# KiCad board MiniCamel_V1.00.kicad_pcb (continued)
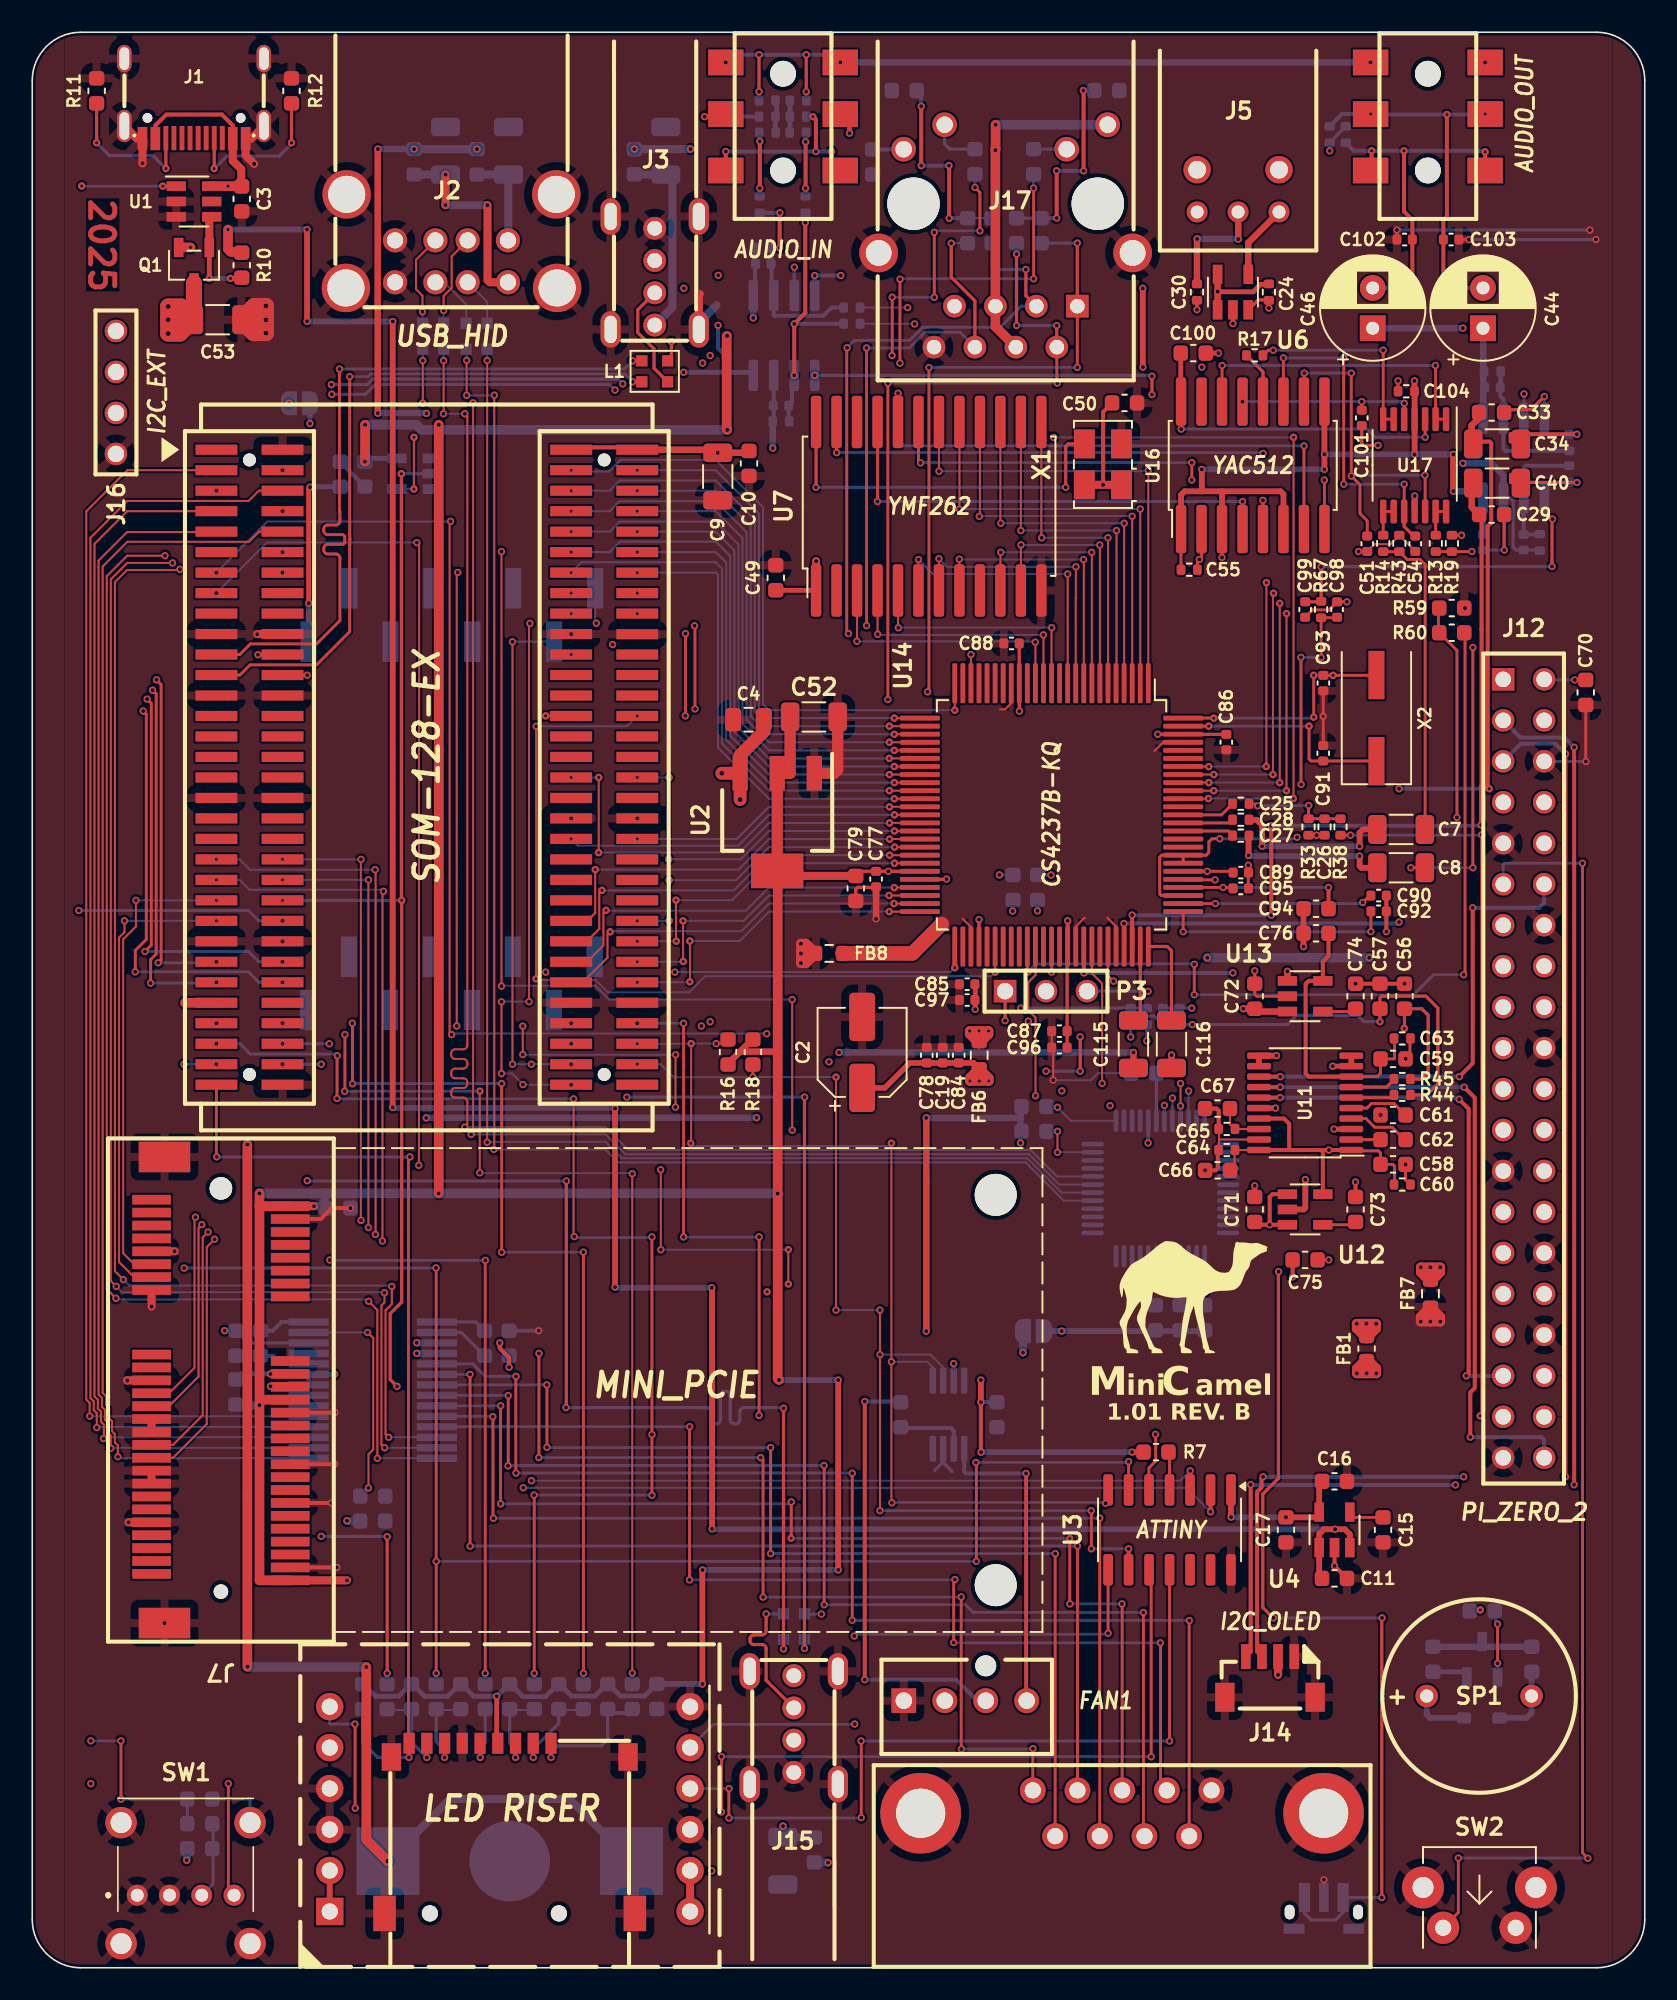
[diagram p0: board, top side]
## Routing (per net, layer and track width the routed paths; a pad name or vN(x,y) marks a point on that pad's centre or on a via; arc(x,y) is an arc through that point) (continued)
AGND: length 159.6
  Top w0.127: C54.2 85.77,87.83 R43.1 84.22,88.26 83.24,88.26 C51.2 v1(82.25,87.81) ; 82.08,55.9 U11.9 ; U11.19 73.6,51.35 ; 73.6,52.01 73.6,50.7 ; 82.06,48.71 v1(82.06,48.72)
  Top w0.18: v1(81.53,84.69) C98.1 80.42,84.19 79.4,84.19 C99.2 ; v1(85.17,49.81) 85.17,48.83 85.44,48.56 ; 75.43,66.77 75.41,66.79 v1(75.41,68.35) 75.43,68.34 C89.1 ; U13.2 75.94,60.23 75.81,60.36 C72.2 ; U14.80 71.41,67.45 v1(73.35,67.45) ; 79.91,70.25 79.88,70.22 78.92,70.22 79.42,70.22 ; 85.44,57.62 85.44,56.63 v1(85.17,56.36) ; U16.2 72.52,87.45 v1(72.38,87.31) 72.26,87.2 C55.1
  Top w0.2: v1(48,116.32) v1(48,118.61) ; v1(64.98,57.72) 64.99,57.71 v1(64.99,55.59) ; 72.23,103.41 v1(72.23,102.8) ; C101.2 82.45,94.48 82.54,94.39 v1(83.46,94.39) ; v1(91.29,87.9) 91.28,87.91 91.28,89.97 ; R19.1 v1(88.64,88.82) ; v1(45.07,116.32) v1(45.07,118.61) ; C72.2 v1(75.81,61.81) ; v1(93.77,97.42) 92.95,96.6 91.28,96.6 ; v1(76.69,102.9) 76.69,103.41 76.03,103.41 U6.3 ; C104.1 v1(84.7,98.39)
  Top w0.25: v1(83.97,64.24) 83.97,66.47 ; v1(42.54,104.93) 42.53,104.92 ; C67.1 73.45,53.27 73.58,53.14 73.58,52.03 73.6,52.01 ; v1(72.73,49.44) 73.39,49.44 73.52,49.57 73.52,50.62 73.6,50.7 ; C73.2 82.06,48.71 ; v1(82.06,61.01) v1(85.1,61.01) ; v1(78.16,42.83) C75.2
  Top w0.3: U11.9 v1(80.65,55.9) ; U11.16 v1(77.1,53.3) ; U11.3 v1(80.73,52) ; v1(73.56,100.11) C100.1 ; C71.2 v1(75.81,48.48)
  Top w0.36: U12.2 78.86,47.01 78.95,47.11 v1(78.95,48.87) ; v1(77.16,56.55) U11.11 U11.12 ; U17.11 v1(85.73,91.25) ; v1(78.84,63.31) C76.2 C94.2 ; U11.10 U11.9
  Top w0.6: 86.71,42.52 87.32,43.12 v1(87.32,43.43) v1(86.11,43.43) 86.11,43.12 86.71,42.52 ; 86.71,42.52 v1(86.71,43.43)
  In1.Cu w0.2: v1(64.98,57.72) 64.99,57.71 v1(68.12,57.71)
  In1.Cu w0.25: v1(48.52,104.92) 48.51,104.93 v1(42.54,104.93)
  In2.Cu w0.2: P3.2 v1(62.87,55.59)
  In2.Cu w0.25: 50.11,104.92 v1(50.11,118.13) ; 42.53,104.92 v1(42.53,101.83)
  Bottom w0.127: R66.2 81.46,114.15 ; C41.1 89.92,87.9 ; v1(93.77,97.42) 93.77,97.41
  Bottom w0.2: R74.1 69.6,59 68.64,59 R25.1 v1(68.12,57.71) ; v1(62.87,55.59) v1(64.99,55.59) ; R76.1 48.01,116.31 v1(48,116.32) ; 81.46,114.15 81.44,114.15 80.46,113.17 R65.2 v1(80.46,112.65) ; 93.77,97.41 U15.4 ; v1(91.29,87.9) 89.92,87.9 ; R27.1 v1(45.07,116.32)
  Bottom w0.25: v1(43.01,118.13) 43.49,118.61 v1(45.07,118.61) v1(48,118.61) 49.63,118.61 v1(50.11,118.13) ; v1(42.53,101.83) 42.53,100.41 C114.1 ; U18.4 48.52,103.68 v1(48.52,104.92) v1(50.14,104.92)
  Bottom w0.4: v1(50.11,118.13) v1(83,118.13)
  vias: v1(79.65,70.22) v1(83.61,52.87) v1(90.1,118.13)
GND: length 115.9
  Top w0.127: 18.76,34.42 v1(18.77,34.43) ; v1(63.31,55.03) 63.31,56.96 C96.1 C87.2 ; 18.74,31.22 v1(18.75,31.23) ; 13.96,82.69 v1(13.95,82.68)
  Top w0.18: v1(96.35,74.79) 96.34,74.8 C70.2 ; C93.1 80.06,79.16 v2(80.06,77.59) C91.1
  Top w0.2: 52.3,66.98 51.19,66.98 51.07,66.86 51.07,66.14 ; C102.2 84.63,107.74 v1(84.63,107.74) ; v1(56.7,67.5) 56.68,67.48 U14.46 ; C103.2 v1(89.1,107.15)
  Top w0.25: J7.34 18.74,31.22 ; J7.40 v1(18.55,28.82) ; 81.53,24.14 v1(80.76,24.91) U4.2 ; J7.50 v1(18.89,24.82) ; J7.26 18.76,34.42 ; J7.4 17.89,46.42 18.57,47.1 v1(19.73,47.1)
  Top w0.4: C77.2 v1(52.33,65.03)
  Top w0.5: J7.21 5.9,36.42 v1(5.89,36.41) ; v1(13.76,111.84) 13.23,112.36 13.23,113.41 13.58,113.41 J1.S ; J7.29 J7.27 ; J3.7 41.34,103.71 41.4,103.77 ; J7.35 J7.37 ; v1(6.84,111.88) 6.84,111.88 J1.A12/B1 6.49,113.41 J1.S ; J7.9 v1(8.83,44.42) ; P1.A20 13.96,82.69 ; J7.15 v1(7.4,40.99) ; J7.43 v1(5.97,27.62)
  Top w0.6: v1(47.67,62.89) v1(47.67,62.28) 47.99,62.28 FB8.1 ; v1(47.67,62.89) v1(47.67,63.49) 47.99,63.49 FB8.1 ; v1(47.67,62.89) FB8.1 ; FB7.1 v1(86.71,40.06) ; FB7.1 87.31,40.36 v1(87.31,40.06) v1(86.11,40.06) 86.11,40.36 FB7.1
  Top w0.7: U2.1 49.73,74.06 49.95,74.28 C52.2
  Top w1: 12.9,102.17 13.72,101.35 v4(14.49,101.35) v4(14.49,103.03) 13.76,103.03 12.9,102.17 ; 12.9,102.17 v4(14.49,102.17)
  Bottom w0.127: C6.2 29.58,39.5 ; 19.1,93.36 C68.2 ; SW5.2 v1(80.1,5.45) ; C39.1 66.08,55.46 65.65,55.03 v1(63.31,55.03) ; J3.7 41.34,101.98
  Bottom w0.18: C5.2 13.42,10.46 13.51,10.37 SW1.MH3 ; 88.97,18.35 Q4.2 ; J12.6 93.77,74.79 v1(96.35,74.79)
  Bottom w0.2: 55.97,30.84 56.5,31.36 U10.7 56.5,31.31 57.04,30.77 ; v1(89.1,107.15) v1(96.97,107.15) ; v1(84.63,107.74) v1(96.6,107.74)
  Bottom w0.25: C38.2 19.1,93.36 ; 29.58,39.5 v1(31.41,39.5)
  Bottom w0.3: C20.2 88.97,18.35
  Bottom w0.5: 41.34,101.98 42.44,103.07
  vias: v1(8.2,21.37) v1(15.52,63.64) v1(33.42,82.69) v1(33.42,71.26) v1(37.52,71.26) v1(88.86,84.3)
SGND: length 17
  Top w0.127: U14.71 67.21,64.55 66.68,65.09 66.68,65.11 ; U14.97 70.14,75.98 69.6,75.44 ; U14.53 58.21,64.53 57.71,65.03 ; U14.66 64.71,64.55 65.25,65.09 65.28,65.09 ; U14.18 60.71,78.4 60.33,78.02 60.01,78.02
  Top w0.9: FB8.2 54.58,62.89 56.4,64.71
VBUS: length 225.5
  Top w0.25: 7.63,113.41 7.63,114.22 8.32,114.9 11.76,114.9 12.25,114.41 12.25,114.41 12.44,114.22 J1.A4/B9
  Top w0.36: U4.3 81.71,26.88 81.4,27.19 80.11,27.19 79.81,26.89 U4.1 79.81,24.31 ; v1(17.04,107.77) v1(17.04,102.08) ; 42.16,6.02 v1(42.14,6) ; v1(22.36,102.07) 22.35,102.06 v1(22.35,53.34) ; v1(36.14,42.2) v1(36.14,53.28) ; v1(42.14,42.16) 42.16,42.14 v1(42.16,27.21) ; J9.2 J9.1
  Top w0.5: J1.A4/B9 12.44,112.03 12.96,111.51 12.96,110.47 12.98,110.46 ; J9.8 J9.7
  Top w0.6: C3.2 12.98,110.46 U1.6 ; v2(9.82,106.66) Q1.3 ; 12.99,106.38 12.31,106.38 12.14,106.56 v2(12.14,107.77)
  In1.Cu w0.36: 18.47,6 18.47,6 v1(42.14,6)
  In2.Cu w0.36: v1(42.16,27.21) 42.16,6.02
  In2.Cu w0.6: v2(12.14,110.46) v2(12.14,107.77) 12.14,106.99 11.81,106.66 v2(9.82,106.66)
  Bottom w0.36: v1(36.14,53.28) 36.11,53.31 22.38,53.31 v1(22.35,53.34) ; v1(17.04,102.08) 17.05,102.07 v1(22.36,102.07) ; v1(17.04,107.77) v2(12.14,107.77) ; v1(42.14,42.16) 36.18,42.16 v1(36.14,42.2) ; v1(42.16,27.21) 42.18,27.19 v1(80.8,27.19) ; 18.47,6 J9.2
VCC: length 98.3
  Top w0.127: 48.59,85.4 U7.1 ; 75.98,46.06 C71.1 ; 77.84,61.78 v1(77.84,61.78) ; 10.02,104.45 Q1.2 ; P1.B2 37.44,94.2
  Top w0.18: 93.8,79.84 J12.2 ; C70.1 v1(95.66,79.84)
  Top w0.25: 37.44,94.2 37.38,94.26 33.56,94.26 P1.B1 ; U12.1 76.92,47.96 76.74,47.79 v1(76.74,46.06) ; v1(66.41,91.94) 66.41,96.46 66.97,97.02 ; v1(76.74,46.06) 75.98,46.06 ; v1(76.74,46.06) 77.84,46.06
  Top w0.3: 76.69,104.37 76.18,104.37 75.72,103.91 73.51,103.91 ; C49.1 48.59,85.4
  Top w0.35: v2(58.73,54.98) 58.72,54.99 FB6.1 58.38,56.1 C84.2 C78.2 54.42,56.1 52.87,54.55 C2.1
  Top w0.4: 72.23,104.37 72.23,107.18 v1(72.24,107.19) ; v1(75.1,59.46) C72.1 75.98,59.28 77.84,59.28 ; P1.B2 42.32,94.12 v1(42.51,93.93) 44.34,93.93 C10.1 ; U13.1 77.84,61.78 ; U6.5 v1(73.51,103.92) U6.1 ; v1(74.79,107.18) 74.79,108.85 J5.2
  Top w0.5: J14.2 v1(77.26,18.16) ; X1.1 v1(66.41,91.94) X1.4 ; v1(48.61,87.21) U7.1
  Top w0.6: 82.75,37.76 82.15,37.15 v1(82.15,36.85) v1(83.35,36.85) 83.35,37.15 82.75,37.76 ; 82.75,37.76 v1(82.75,36.85) ; v2(58.15,54.98) 58.15,55.18 FB6.1 59.32,55.16 v2(59.32,54.98) v2(58.15,54.98)
  Top w0.8: C4.1 45.37,76.65 43.9,75.18 U2.3 ; U2.3 v4(43.9,72.43) ; U2.3 v4(42.76,74.06)
  Top w1: C53.1 9.2,103 v4(8.43,103) v4(8.43,101.32) 9.16,101.32 C53.1 ; C53.1 10.02,104.45 ; C53.1 v4(8.43,102.18)
  Bottom w0.127: 49.35,6.52 v1(49.35,6.52)
  Bottom w0.18: v1(95.66,79.84) 93.8,79.84
  Bottom w0.2: U5.26 13.38,38.74 C14.1 11.94,39.49 v1(11.93,39.5)
  Bottom w0.3: U5.22 U5.23 18.74,36.79 v1(18.75,36.8)
  Bottom w0.36: D4.1 86.69,15.49 86.48,15.7 SP1.1
  Bottom w0.4: v1(72.24,107.19) 74.78,107.19 v1(74.79,107.18)
  Bottom w0.5: JP3.1 v1(61.44,38.14) ; 48.5,6.52 49.35,6.52 ; 9.56,7.39 9.58,7.37 v1(9.58,6.67) ; v1(40.83,112.76) v1(37.34,112.76)
  vias: v1(15.92,97)
/_RESET: length 2.4
  Top w0.127: 70.53,31.95 70.52,31.97
  Top w0.18: 70.53,29.61 70.53,31.95
/A0: length 39.4
  Top w0.127: v2(57.21,77.97) 57.21,77.97 U14.25
  Bottom w0.127: v2(57.21,77.97) 57.21,77.97 45.69,77.97 45.32,78.34 45.32,90.55 42.38,93.49 36.49,93.49 35.77,92.77 33.5,92.77 v2(33.42,92.85)
/A1: length 31
  Top w0.127: U14.26 v2(53.46,77.48)
  Bottom w0.127: v2(53.46,77.48) 45.69,77.48 45.07,78.1 45.07,90.16 42.38,92.85 v2(37.52,92.85)
/A2: length 35.2
  Top w0.127: U14.27 v2(53.15,76.98)
  Bottom w0.127: v2(53.15,76.98) 45.69,76.98 44.81,77.86 44.81,89.78 42.38,92.21 36.44,92.21 35.81,91.58 v2(33.42,91.58)
/A3: length 30.7
  Top w0.127: U14.28 v3(53.46,76.48)
  Bottom w0.127: v2(37.52,91.58) 42.38,91.58 44.56,89.4 44.56,77.61 45.69,76.48 v3(53.46,76.48)
/A4: length 34.9
  Top w0.127: U14.29 v2(53.15,75.98)
  Bottom w0.127: v2(53.15,75.98) 45.69,75.98 44.3,77.36 44.3,88.99 42.38,90.92 36.42,90.92 35.81,90.31 v2(33.42,90.31)
/A5: length 30.4
  Top w0.127: v2(53.46,75.48) 53.46,75.48 U14.30
  Bottom w0.127: v2(37.52,90.31) 42.38,90.31 44.05,88.64 44.05,77.12 45.69,75.48 v2(53.46,75.48)
/A6: length 34.6
  Top w0.127: U14.31 v2(53.15,74.98)
  Bottom w0.127: v2(33.42,89.04) 35.82,89.04 36.44,89.66 42.38,89.66 43.8,88.24 43.8,76.87 45.69,74.98 v2(53.15,74.98)
/A7: length 30.2
  Top w0.127: U14.32 53.46,74.48 v2(53.46,74.48)
  Bottom w0.127: v2(37.52,89.04) 42.38,89.04 43.54,87.88 43.54,76.63 45.69,74.48 v2(53.46,74.48)
/A8: length 34.4
  Top w0.127: U14.33 53.16,73.98 v2(53.16,73.98)
  Bottom w0.127: v2(33.42,87.77) 35.81,87.77 36.46,88.42 42.39,88.42 43.29,87.52 43.29,76.38 45.69,73.98 v2(53.16,73.98)
/A9: length 29.9
  Top w0.127: U14.34 53.47,73.48 v2(53.47,73.48)
  Bottom w0.127: v2(37.52,87.77) 42.38,87.77 43.03,87.11 43.03,76.13 45.69,73.48 v2(53.47,73.48)
/A10: length 34.1
  Top w0.127: U14.35 53.16,72.98 v2(53.15,72.98)
  Bottom w0.127: v2(33.42,86.5) 34.06,87.14 42.38,87.14 42.78,86.74 42.78,75.9 45.7,72.98 v2(53.15,72.98)
/A11: length 29.6
  Top w0.127: U14.36 v2(53.46,72.48)
  Bottom w0.127: v2(53.46,72.48) 45.69,72.48 42.53,75.64 42.53,86.36 42.39,86.5 v2(37.52,86.5)
/A12: length 59.9
  Top w0.127: U14.94 72.95,74.48 v2(72.96,74.47) ; v2(76.52,74.48) 76.54,74.49 v2(76.54,85.88)
  In1.Cu w0.127: v2(33.42,85.23) 35.81,85.23 36.46,85.88 v2(76.54,85.88)
  Bottom w0.127: v2(76.52,74.48) 72.97,74.48 v2(72.96,74.47)
/A13: length 56.3
  Top w0.127: v2(76.94,73.98) 76.94,85.09 76.98,85.13 v2(76.98,85.22) ; U14.93 73.28,73.98 v2(73.28,73.98)
  In1.Cu w0.127: v2(76.98,85.22) 37.53,85.22 v2(37.52,85.23)
  Bottom w0.127: v2(73.28,73.98) 73.28,73.98 v2(76.94,73.98)
/A14: length 61.3
  Top w0.127: U14.92 v2(72.97,73.48) ; v2(77.36,84.59) 77.36,73.48 v2(77.36,73.48)
  In1.Cu w0.127: v2(77.36,84.59) 36.44,84.59 35.81,83.96 v2(33.42,83.96)
  Bottom w0.127: v2(77.36,73.48) v2(72.97,73.48)
/A15: length 57.7
  Top w0.127: v2(77.79,83.96) 77.78,83.95 v2(77.78,72.98) ; U14.91 v2(73.27,72.98)
  In1.Cu w0.127: v2(77.79,83.96) v2(37.52,83.96)
  Bottom w0.127: v2(73.27,72.98) v2(77.78,72.98)
/AEN: length 27.1
  Top w0.127: v2(35.12,69.14) 35.13,69.15 v2(35.13,73.8) ; U14.39 v2(53.16,70.98)
  Bottom w0.127: v2(35.12,69.14) 35.13,69.15 43.86,69.15 45.69,70.98 v2(53.16,70.98) ; v2(35.13,73.8) v2(33.42,73.8)
/AUDIO_VREF: length 86.1
  Top w0.2: v1(94.25,86.88) 94.25,89.79 v1(94.28,89.82) ; v1(69.44,97.54) v1(69.44,98.68) ; C99.1 79.9,84.69 R67.1 v1(79.93,86.86)
  In1.Cu w0.2: v1(92.51,97.58) 69.48,97.58 v1(69.44,97.54)
  In2.Cu w0.2: v1(92.51,97.58) 92.51,94.23 93.78,92.96 93.78,90.32 v1(94.28,89.82) ; v1(47.26,105.44) 47.26,102.93 48.53,101.66 v1(48.53,98.73)
  Bottom w0.2: v1(94.28,89.82) 93.77,90.32 U15.5 ; v1(92.51,97.58) 92.51,96.07 92.51,96.06 ; v1(79.93,86.86) 79.94,86.87 94.24,86.87 v1(94.25,86.88) ; v1(69.44,98.68) 69.39,98.73 v1(48.53,98.73) ; 47.25,103.68 47.25,105.43 v1(47.26,105.44) 47.27,105.43
/CTS1: length 79.5
  Top w0.127: v1(5.31,31.68) 5.31,32.02 5.31,32.03 5.31,32.39 5.12,32.58 5.12,33.09 4.95,33.26 4.95,33.88 4.76,34.07 4.76,34.7 4.58,34.89 4.58,35.43 4.37,35.64 4.37,86.88 5.9,88.41 13.44,88.41 14.07,89.04 P1.A10
  Bottom w0.127: v1(5.31,31.68) 5.41,31.59 U5.15
/D0: length 25.3
  Top w0.127: U14.41 53.17,69.98 v2(53.17,69.98) ; v2(34.92,68.08) 34.91,68.07 34.91,65.4 34.42,64.91 P1.B47
  Bottom w0.127: v2(34.92,68.08) 43.79,68.08 45.69,69.98 v2(53.17,69.98)
/D1: length 20.9
  Top w0.127: U14.42 v2(53.48,69.48) ; v2(39.5,67.43) v2(39.5,64.91)
  Bottom w0.127: v2(39.5,67.43) 43.64,67.43 45.69,69.48 v2(53.48,69.48) ; v2(39.5,64.91) v2(37.52,64.91)
/D2: length 25.1
  Top w0.127: U14.43 v2(53.17,68.98) ; v2(35.33,66.8) 35.16,66.63 35.16,64.41 34.39,63.64 P1.B49
  Bottom w0.127: v2(35.33,66.8) 43.51,66.8 45.69,68.98 v2(53.17,68.98)
/D3: length 21.1
  Top w0.127: U14.44 53.48,68.48 v2(53.48,68.48) ; v2(39.92,66.19) 39.92,63.67 v2(39.94,63.65)
  Bottom w0.127: v2(39.94,63.65) 39.6,63.65 39.59,63.64 v2(37.52,63.64) ; v2(53.48,68.48) 45.69,68.48 43.4,66.19 v2(39.92,66.19)
/D4: length 24.7
  Top w0.127: U14.47 53.47,66.98 v2(53.46,66.97) ; P1.B51 34.41,62.37 35.42,63.38 35.42,65.39 v2(35.58,65.56)
  Bottom w0.127: v2(53.46,66.97) 45.68,66.97 44.25,65.54 35.61,65.54 v2(35.58,65.56)
/D5: length 20.7
  Top w0.127: v2(40.37,62.39) 40.36,62.4 v2(40.36,64.91) ; v2(53.13,66.48) 53.14,66.48 U14.48
  Bottom w0.127: v2(37.52,62.37) 40.35,62.37 v2(40.37,62.39) ; v2(40.36,64.91) 44.12,64.91 45.69,66.48 v2(53.13,66.48)
/D6: length 24.5
  Top w0.127: v2(53.44,65.98) 53.45,65.98 U14.49 ; v2(35.84,64.23) 35.67,64.06 35.67,62.63 34.15,61.1 P1.B53
  Bottom w0.127: v2(35.84,64.23) 35.88,64.27 43.98,64.27 45.69,65.98 v2(53.44,65.98)
/D7: length 20.8
  Top w0.127: v2(40.78,63.66) 40.79,63.65 40.79,61.14 v2(40.78,61.13) ; U14.50 v2(53.14,65.48)
  Bottom w0.127: v2(40.78,61.13) 40.75,61.1 v2(37.52,61.1) ; v2(53.14,65.48) 45.69,65.48 43.87,63.66 v2(40.78,63.66)
/DCD1: length 78.9
  Top w0.127: P1.A3 5.9,92.85 3.35,90.3 3.35,35.22 3.56,35.01 v1(3.56,34.2)
  Bottom w0.127: v1(3.56,34.2) 3.57,34.19 U5.19
/DRQ1: length 44.3
  Top w0.127: P1.B27 31.85,77.61 v2(31.84,77.62)
  Top w0.25: U14.51 v2(57.21,62.01)
  In1.Cu w0.127: v1(39.85,61.73) 39.84,61.72 31.85,61.72 v1(31.84,61.73)
  In2.Cu w0.127: v2(31.84,77.62) v1(31.84,61.73)
  Bottom w0.127: v1(39.85,61.73) 56.93,61.73 v2(57.21,62.01)
/DSR1: length 75.7
  Top w0.127: v1(4.87,32.21) 4.87,32.98 4.7,33.16 4.7,33.78 4.51,33.96 4.51,34.59 4.32,34.78 4.32,35.33 4.11,35.54 4.11,87.24 5.89,89.02 11.4,89.02 P1.A9
  Bottom w0.127: U5.16 4.9,32.24 v1(4.87,32.21)
/DTR1: length 87
  Top w0.127: v1(22.1,32.89) 21.91,33.08 21.91,40.76 22.3,41.15 v1(22.3,42.24) ; v1(5.65,42.66) 5.13,43.18 5.13,85.91 5.88,86.66 9.11,86.66 v1(9.16,86.7)
  In2.Cu w0.127: v1(15.52,90.31) 9.57,90.31 9.15,89.89 9.15,86.71 v1(9.16,86.7)
  Bottom w0.127: U5.12 v1(22.1,32.89) ; v1(5.65,42.66) 6.02,42.29 22.25,42.29 v1(22.3,42.24)
/FM_A0: length 16
  Top w0.127: U7.4 52.42,82.69 v1(52.43,82.68) ; U14.14 62.71,82.64 v1(62.71,82.64)
  Bottom w0.127: v1(62.71,82.64) 62.71,82.64 52.47,82.64 v1(52.43,82.68)
/FM_A1: length 15.3
  Top w0.127: U14.13 63.21,83.08 v1(63.22,83.09) ; U7.5 53.69,83.1 v1(53.71,83.08)
  Bottom w0.127: v1(63.22,83.09) 53.72,83.09 v1(53.71,83.08)
/FM_D0: length 16.1
  Top w0.127: U14.8 65.71,87.75 v1(65.7,87.76) ; v1(60.06,87.76) 60.04,87.74 U7.10
  Bottom w0.127: v1(65.7,87.76) v1(60.06,87.76)
/FM_D1: length 16.3
  Top w0.127: v1(66.2,88.21) 66.21,88.2 U14.7 ; U7.11 61.31,88.21 v1(61.32,88.22)
  Bottom w0.127: v1(61.32,88.22) 61.33,88.21 v1(66.2,88.21)
/FM_D2: length 20.3
  Top w0.127: v1(66.71,88.66) 66.71,88.66 U14.6 ; v1(62.6,88.66) 62.58,88.68 U7.13
  Bottom w0.127: v1(66.71,88.66) v1(62.6,88.66)
/FM_D3: length 22.1
  Top w0.127: v1(61.31,89.11) U7.14 ; U14.5 67.24,79.67 v1(67.24,89.11)
  Bottom w0.127: v1(67.24,89.11) v1(61.31,89.11)
/FM_D4: length 23.9
  Top w0.127: v1(60.06,89.56) 60.04,89.59 U7.15 ; v1(67.72,89.56) 67.71,89.55 U14.4
  Bottom w0.127: v1(67.72,89.56) 60.07,89.56 v1(60.06,89.56)
/FM_D5: length 25.7
  Top w0.127: v1(58.73,89.99) 58.77,90.03 U7.16 ; U14.3 68.21,89.99 v1(68.21,89.99)
  Bottom w0.127: v1(58.73,89.99) 58.75,90.01 68.19,90.01 v1(68.21,89.99)
/FM_D6: length 27.4
  Top w0.127: U14.2 68.71,90.44 v1(68.71,90.44) ; v1(57.5,90.42) U7.17
  Bottom w0.127: v1(57.5,90.42) 57.52,90.44 v1(68.71,90.44)
/FM_D7: length 29.3
  Top w0.127: v1(69.21,92.85) 69.21,92.85 U14.1 ; v1(56.23,92.79) U7.18
  Top w0.18: 56.21,95.63 56.22,95.63
  Bottom w0.127: v1(56.23,92.79) 69.15,92.79 v1(69.21,92.85)
/FM_SYNTH_L: length 9.9
  Top w0.36: C8.2 82.42,68.2 82.31,68.3 v1(82.31,68.92) ; 75.44,70.18 75.43,70.19 v1(75.43,68.96)
  Bottom w0.36: v1(82.31,68.92) 75.47,68.92 v1(75.43,68.96)
/FM_SYNTH_R: length 10.5
  Top w0.36: 83.42,70.72 C7.2 82.52,70.57 82.31,70.37 v1(82.31,69.53) ; 75.43,71.18 75.44,71.17 75.94,71.17 76.27,70.84 v1(76.27,69.53)
  Bottom w0.36: v1(76.27,69.53) v1(82.31,69.53)
/HID_VCC: length 149.3
  Top w0.4: v1(21.44,112.76) 21.42,112.74 21.42,96.4 v1(21.43,96.39) ; v1(55.44,39.47) 55.45,39.48 55.45,52.68 v1(55.44,52.69)
  In1.Cu w0.25: v1(69.2,51.14) v1(61.29,51.14)
  In1.Cu w0.36: v1(55.44,39.47) 55.45,39.47 v1(63.84,39.47)
  In1.Cu w0.4: v1(44.92,52.7) 55.43,52.7
  In2.Cu w0.4: v1(24.43,52.69) 24.43,96.35 v1(24.45,96.37)
  Bottom w0.127: 62.75,39.47 JP3.2
  Bottom w0.25: v1(69.2,51.14) 69.21,51.15 U9.41 ; v1(61.29,51.14) 61.29,51.85 61.3,51.86
  Bottom w0.36: 72.71,39.47 v1(63.84,39.47) 62.75,39.47
  Bottom w0.4: 61.3,52.7 61.28,52.69 v1(55.44,52.69) 55.43,52.7 ; 61.3,52.7 61.3,53.39 ; 61.3,52.7 61.3,51.86 ; v1(21.43,96.39) 24.43,96.39 v1(24.45,96.37) ; v1(24.43,52.69) 24.44,52.7 v1(44.92,52.7) ; v1(23.68,112.76) 23.68,112.76 v1(21.44,112.76)
  Bottom w0.5: v1(27.58,112.76) v1(23.68,112.76)
/I2S_BCLK: length 28.9
  Top w0.25: v1(89.33,65.72) 89.33,56.08 v1(88.5,55.25) ; U11.13 v1(77.39,55.25)
  Bottom w0.25: v1(89.33,65.72) 93.45,65.72 93.76,66.03 J12.12 ; v1(77.39,55.25) v1(88.5,55.25)
/I2S_DATA: length 40.6
  Top w0.25: v1(88.8,54.6) 89.46,53.94 89.46,35.95 89.18,35.67 v1(89.18,32.9) ; U11.14 v1(77.39,54.6)
  Bottom w0.25: J12.40 93.76,32.73 93.59,32.9 v1(89.18,32.9) ; v1(88.8,54.6) v1(77.39,54.6)
/I2S_LRCLK: length 32.2
  Top w0.25: U11.15 v1(77.39,53.95) ; v1(88.93,36.7) 89.08,36.85 89.08,53.25 v1(88.48,53.84)
  Bottom w0.25: v1(88.93,36.7) J12.35 ; v1(88.48,53.84) 88.38,53.95 v1(77.39,53.95)
/IOCHRDY: length 23.4
  Top w0.127: U14.40 53.47,70.48 v2(53.47,70.48) ; v2(39.47,68.73) 39.47,73.76 v2(39.5,73.79)
  Bottom w0.127: v2(39.47,68.73) 43.94,68.73 45.69,70.48 v2(53.47,70.48) ; v2(37.52,73.8) 39.49,73.8 v2(39.5,73.79)
/IRQ7: length 26.6
  Top w0.127: v1(58.21,81.42) U14.23
  In1.Cu w0.127: v1(58.21,81.42) v2(33.42,81.42)
/JAB1: length 14.4
  Top w0.127: v1(67.06,61.17) 66.71,61.52 U14.70
  In1.Cu w0.127: v1(70.21,53.47) 66.86,53.47 v1(66.84,53.45)
  In2.Cu w0.127: v1(67.06,61.17) 66.84,60.95 v1(66.84,53.45)
  Bottom w0.127: v1(70.21,53.47) U9.43
/JAB2: length 19.6
  Top w0.127: v1(62.22,54.06) 62.22,58.91 61.77,59.36 61.77,61.1 62.22,61.55 62.22,63.31 U14.61
  In1.Cu w0.127: v1(70.71,53.92) 62.36,53.92 v1(62.22,54.06)
  Bottom w0.127: U9.44 v1(70.71,53.92)
/JACX: length 15.9
  Top w0.127: v1(66.35,54.83) 66.34,54.84 66.34,61.03 65.71,61.66 U14.68 ; v1(71.21,53.43) v1(71.21,54.83)
  In1.Cu w0.127: v1(66.35,54.83) v1(71.21,54.83)
  Bottom w0.127: U9.45 v1(71.21,53.43)
/JACY: length 18.9
  Top w0.127: v1(63.21,61.73) U14.63
  In1.Cu w0.127: v1(63.85,54.37) 71.7,54.37 v1(71.71,54.36)
  In2.Cu w0.127: v1(63.85,54.37) 63.86,54.38 63.86,61.08 v1(63.21,61.73)
  Bottom w0.127: v1(71.71,54.36) U9.46
/KBCLK: length 87.6
  Top w0.127: v1(47.13,51.93) v1(47.13,60.03) ; v1(29.1,60.86) v1(29.1,87.8) ; v1(63.58,51.86) v1(63.58,50.56)
  In1.Cu w0.127: v1(47.13,51.93) 47.2,51.86 v1(63.58,51.86) ; v1(29.1,87.8) 29.07,87.77 v1(15.52,87.77)
  Bottom w0.127: v1(47.13,60.03) 35.79,60.03 34.93,60.89 29.13,60.89 v1(29.1,60.86) ; v1(63.58,50.56) U9.35 ; 62.95,51.86 v1(63.58,51.86)
/KBDATA: length 85.9
  Top w0.127: v1(39.9,56.61) 39.89,56.6 v1(39.89,53.36) ; v1(26.32,58.39) 26.32,86.44 v1(26.39,86.51) ; v1(30.42,58.38) v1(30.42,56.62)
  In1.Cu w0.127: 63.57,53.35 39.9,53.35 v1(39.89,53.36) ; v1(26.39,86.51) 26.38,86.5 v1(15.52,86.5) ; v1(26.32,58.39) 26.33,58.38 v1(30.42,58.38)
  Bottom w0.127: v1(63.58,53.35) 62.98,53.35 62.95,53.39 ; v1(39.9,56.61) 30.43,56.61 v1(30.42,56.62) ; 63.57,53.35 64.41,52.51 U9.37
/LAN_RX+: length 112.1
  Top w0.18: v1(6.39,61.75) 6.39,63.07 7.07,63.75 7.07,77.73 v1(6.88,77.92) ; v1(50.53,100.44) 50.51,100.42 50.51,82.82 v1(50.61,82.72) ; v1(40.5,77.62) 40.51,77.63 40.51,82.72 v1(40.51,82.72)
  Top w0.2: J17.3 61.62,103.67 v1(61.62,105.29)
  In1.Cu w0.18: v1(40.5,77.62) 40.5,78.09 40.41,78.18 7.14,78.18 v1(6.88,77.92) ; v1(40.51,82.72) v1(50.61,82.72)
  Bottom w0.18: v1(6.39,61.75) 13.4,61.75 14.05,61.1 v1(15.52,61.1) ; v1(50.53,100.44) 50.98,100.89 51.54,100.89 51.55,100.9 54.42,100.9 55.23,101.71 60.03,101.71 61.34,103.02 J17.3
  Bottom w0.2: R23.2 59.52,105.46 59.69,105.29 v1(61.62,105.29)
/LAN_RX-: length 107.8
  Top w0.18: v1(41.07,83.2) 41.1,83.17 v1(41.1,78.05) ; v1(6.99,63.01) 7.38,63.4 7.38,78.4 v1(7.12,78.66) ; v1(51.74,83.21) v1(51.74,100.43)
  Top w0.2: J17.6 58.46,103.35 56.99,104.82 v1(56.99,106.92)
  In1.Cu w0.18: v1(51.74,83.21) 51.73,83.2 v1(41.07,83.2) ; v1(41.1,78.05) 41.1,78.36 40.97,78.49 7.29,78.49 v1(7.12,78.66)
  Bottom w0.127: v1(56.99,106.92) 57,106.92 R22.2
  Bottom w0.18: v1(6.99,63.01) 13.41,63.01 14.05,62.37 v1(15.52,62.37) ; v1(51.74,100.43) 54.39,100.43 55.36,101.4 57.54,101.4 J17.6
/LAN_TX+: length 109.6
  Top w0.18: v1(53.06,78.63) v1(53.06,98.25) ; v1(7.46,79.21) 7.69,78.98 7.69,62.85 7.34,62.5 v1(7.34,61.05) ; v1(63.57,98.25) 63.54,98.28 J17.2
  Top w0.2: J17.2 63.53,100.49 v1(63.53,101.82) ; v1(61.04,106.25) v1(61.04,101.82)
  In1.Cu w0.18: v1(7.46,79.21) 7.87,78.8 52.89,78.8 v1(53.06,78.63)
  Bottom w0.18: v1(63.57,98.25) v1(53.06,98.25) ; v1(11.42,61.1) 11.37,61.05 v1(7.34,61.05)
  Bottom w0.2: v1(61.04,101.82) v1(63.53,101.82) ; R28.2 v1(61.04,106.25)
/LAN_TX-: length 108.8
  Top w0.18: v1(55.53,79.11) 55.61,79.19 v1(55.61,99.21) ; v1(7.81,62.31) 7.99,62.49 7.99,79.57 v1(7.71,79.85) ; v1(64.81,99.22) J17.1
  Top w0.2: v1(64.81,106.93) J17.1
  In1.Cu w0.18: v1(7.71,79.85) 8.46,79.1 55.52,79.1 v1(55.53,79.11)
  Bottom w0.18: v1(55.61,99.21) 55.62,99.22 v1(64.81,99.22) ; v1(7.81,62.31) 11.36,62.31 v1(11.42,62.37)
  Bottom w0.2: v1(64.81,106.93) 64.81,106.92 R29.2
/LINE_IN_CS_L: length 5.9
  Top w0.2: U14.75 70.39,63.32 70.65,63.06 C116.2
/LINE_IN_CS_R: length 4.8
  Top w0.2: U14.74 68.71,59.16 C115.2
/LINE_IN_L: length 12
  Top w0.25: v3(48.41,114.77) 48.6,114.58 v1(48.6,112.61) ; v1(43.01,112.61) J10.T ; v1(49.57,112.61) 49.57,111.97 J10.T
  Bottom w0.127: 47.88,114.64 R75.1
  Bottom w0.25: R75.1 v3(48.41,114.77) ; v1(49.57,112.61) v1(48.6,112.61) v1(43.01,112.61) ; 47.9,114.62 47.88,114.64
/LINE_IN_R: length 15.6
  Top w0.25: v1(41.69,114.77) 42.85,114.77 J10.R
  Top w0.3: J10.R 50.68,114.36 v1(50.68,113.74)
  In1.Cu w0.3: v1(50.68,113.74) 46.74,113.74 45.71,114.77 v1(41.69,114.77)
  Bottom w0.25: v1(41.69,114.77) R26.1
/LINE_OUT_CS_L: length 50.4
  Top w0.25: v1(68.21,65.27) U14.73 ; 89.88,89.82 89.88,82.99 89.88,82.99 89.88,73.3 89.85,73.27 v1(89.85,70.85) ; v1(76.84,70.81) v1(76.84,65.26)
  Top w0.4: 89.27,91.97 89.27,90.56 C29.2 89.73,89.97
  Bottom w0.25: v1(89.85,70.85) 89.81,70.81 v1(76.84,70.81) ; v1(76.84,65.26) 76.83,65.25 68.23,65.25 v1(68.21,65.27)
/LINE_OUT_CS_R: length 56.9
  Top w0.25: v1(67.7,64.74) 67.71,64.73 U14.72 ; 89.78,94.62 90.38,94.62 90.48,94.52 90.48,89.59 90.26,89.37 90.26,73.2 v3(90.36,73.1)
  Top w0.4: 89.26,94.62 89.26,95.61 89.73,96.09 89.73,96.6
  In2.Cu w0.25: v1(84.76,64.83) v1(84.76,73.1)
  Bottom w0.25: v1(84.76,64.83) 84.68,64.74 v1(67.7,64.74) ; v1(84.76,73.1) v3(90.36,73.1)
/MIDI_AUDIO_L: length 38.7
  Top w0.2: v2(83.58,58.66) C57.2 83.58,60.13 83.69,60.24 86.43,60.24 87.17,59.5 87.17,54.8 86.49,54.12 85.44,54.12 ; v1(60.33,58.72) P3.1
  In1.Cu w0.2: v1(60.33,58.72) 60.84,58.21 71.67,58.21 v1(71.94,58.48)
  Bottom w0.2: v2(83.58,58.66) 82.58,58.66 82.19,59.05 78.41,59.05 77.84,58.48 v1(71.94,58.48) R73.1
/MIDI_AUDIO_R: length 31.9
  Top w0.2: 85.44,55.1 86.15,55.1 86.57,55.52 86.57,59.06 86.17,59.46 C56.2 85.1,58.25 v2(85.09,58.24)
  In1.Cu w0.2: v2(85.09,58.24) 83.95,58.24 83.18,57.47 v1(69.12,57.47)
  In2.Cu w0.2: v1(69.12,57.47) 69.12,60.46 v1(69.2,60.54)
  Bottom w0.2: v1(69.2,60.54) 69.19,60.55 P3.3 ; v1(69.12,57.47) R24.1
/MIDI_OUT: length 52.5
  Top w0.18: 88.86,82.77 88.86,61.65 v1(88.77,61.57) ; v1(72.06,62.21) v1(72.06,60.33) ; U14.60 61.71,61.79 v1(61.76,61.74)
  Bottom w0.18: v1(88.77,61.57) 86.91,61.57 85.67,60.33 v1(72.06,60.33) ; v1(72.06,62.21) 72.03,62.24 62.26,62.24 v1(61.76,61.74)
/MSCLK: length 113.4
  Top w0.127: v1(26,57.85) 25.88,57.98 25.88,89.62 v1(25.94,89.68)
  In1.Cu w0.127: v3(45.57,41.91) v1(72.71,41.91)
  In2.Cu w0.127: v1(45.55,57.91) 45.57,57.89 v3(45.57,41.91)
  Bottom w0.127: v1(11.42,86.5) 14.58,89.66 25.92,89.66 v1(25.94,89.68) ; U9.13 72.71,41.12 ; v1(26,57.85) 26.07,57.92 45.54,57.92 v1(45.55,57.91)
/MSDATA: length 111.6
  Top w0.127: v1(38.97,49.48) 38.98,49.47 v1(38.98,44.52) ; v1(23.85,88.36) 23.99,88.22 23.99,75.47 23.98,75.46 23.98,49.76 v1(23.97,49.75) ; v3(46.89,42.39) v3(46.89,44.52)